# KiCad board SevenSegment.kicad_pcb (continued)
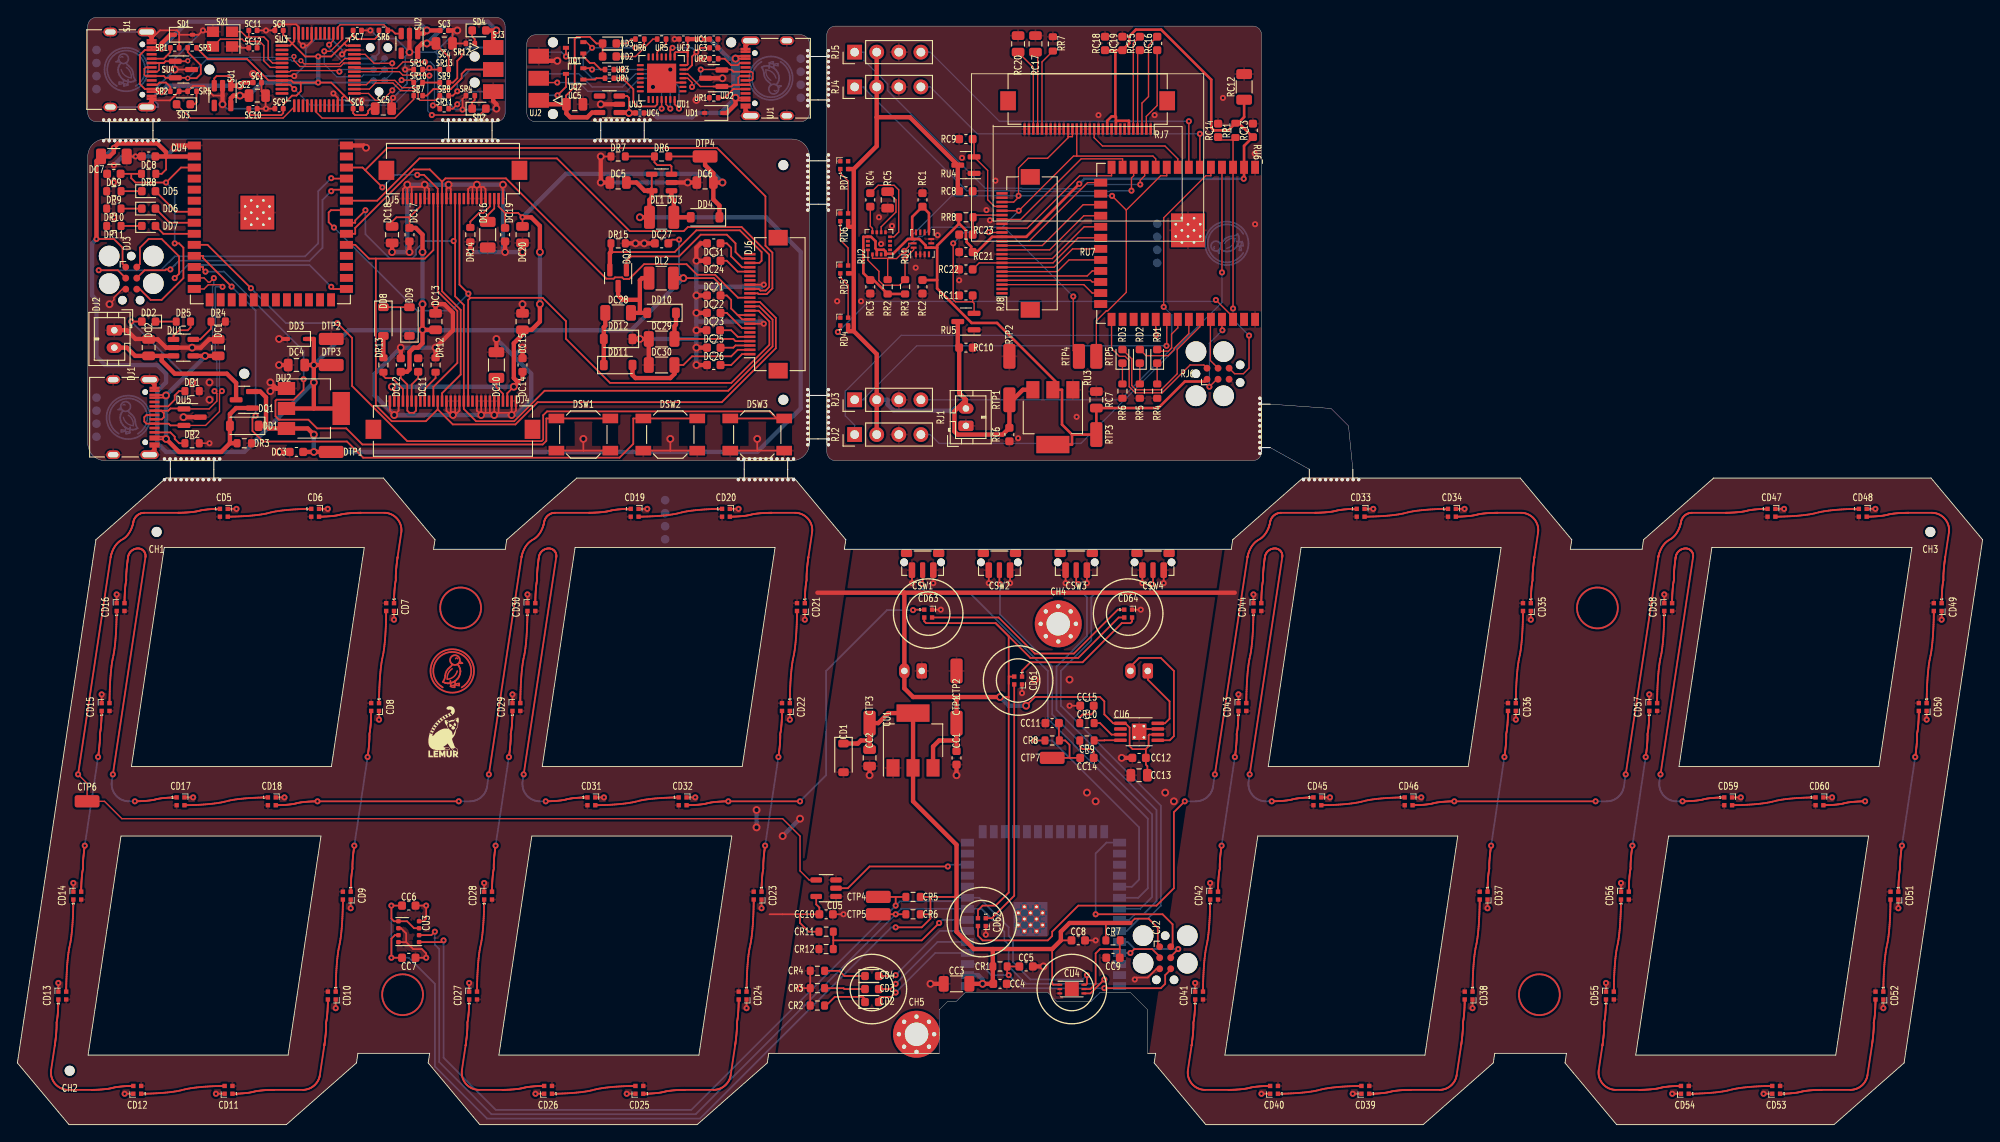
[diagram p0: board, top side]
## Routing (per net, layer and track width the routed paths; a pad name or vN(x,y) marks a point on that pad's centre or on a via; arc(x,y) is an arc through that point) (continued)
digit[1].led[8].dout: length 10.4
  Front w0.2: 53.69,25.8 53.69,25.73 53.69,25.63 53.68,25.52 53.68,25.4 53.68,25.25 53.68,25.1 53.67,24.93 53.67,24.75 53.66,24.55 53.65,24.35 53.65,24.14 53.64,23.93 53.62,23.7 53.61,23.47 53.6,23.24 53.58,23.01 53.56,22.78 53.55,22.54 53.53,22.31 53.5,22.07 53.48,21.84 53.45,21.62 53.42,21.4 53.39,21.19 53.35,20.98 53.31,20.79 53.23,20.41 53.2,20.22 53.16,20.01 53.13,19.8 53.1,19.58 53.07,19.36 53.05,19.13 53.03,18.9 53,18.66 52.98,18.43 52.97,18.19 52.95,17.96 52.94,17.72 52.92,17.5 52.91,17.27 52.9,17.06 52.9,16.85 52.89,16.65 52.88,16.46 52.88,16.27 52.87,16.1 52.87,15.95 52.87,15.81 52.87,15.68 52.86,15.57 52.86,15.47 52.86,15.4
digit[1].led[9].dout: length 20.7
  Front w0.2: v3(55,32.1) 54.99,32.05 54.99,32.01 54.98,31.97 54.97,31.91 54.97,31.85 54.95,31.78 54.94,31.7 54.94,31.62 54.92,31.53 54.91,31.43 54.9,31.33 54.89,31.23 54.88,31.12 54.86,31.01 54.85,30.9 54.84,30.78 54.83,30.66 54.81,30.43 54.81,30.31 54.8,30.19 54.8,30.08 54.79,29.97 54.79,29.86 54.79,29.75 54.79,29.64 54.79,29.55 54.79,29.45 54.77,29.36 54.75,29.26 54.74,29.16 54.72,29.05 54.71,28.94 54.69,28.83 54.68,28.71 54.67,28.6 54.66,28.48 54.64,28.25 54.63,28.13 54.62,28.01 54.61,27.79 54.61,27.68 54.6,27.57 54.6,27.47 54.6,27.38 54.59,27.29 54.59,27.2 54.59,27.12 54.59,26.99 54.59,26.93 ; 56.94,47.47 56.94,47.35 56.94,47.28 56.94,47.2 56.94,47.11 56.93,47.02 56.93,46.93 56.93,46.83 56.92,46.72 56.92,46.61 56.91,46.39 56.9,46.27 56.89,46.16 56.87,45.92 56.86,45.8 56.85,45.69 56.84,45.57 56.82,45.46 56.81,45.35 56.79,45.24 56.78,45.14 56.76,45.04 56.74,44.95 56.74,44.86 56.74,44.76 56.74,44.65 56.74,44.55 56.74,44.43 56.73,44.32 56.73,44.21 56.72,44.09 56.72,43.97 56.7,43.74 56.69,43.62 56.68,43.5 56.66,43.39 56.65,43.28 56.64,43.17 56.63,43.07 56.62,42.97 56.61,42.87 56.59,42.78 56.58,42.7 56.58,42.62 56.56,42.55 56.56,42.49 56.55,42.43 56.54,42.39 56.54,42.35 v3(56.53,42.3)
  Back w0.2: v3(55,32.1) v3(56.53,42.3)
digit[1].led[10].dout: length 10.4
  Front w0.2: 58.67,59 58.67,58.93 58.67,58.83 58.66,58.72 58.66,58.59 58.66,58.45 58.66,58.3 58.65,58.13 58.65,57.94 58.64,57.75 58.63,57.55 58.63,57.34 58.62,57.13 58.61,56.9 58.59,56.68 58.58,56.44 58.56,56.21 58.55,55.97 58.53,55.74 58.5,55.5 58.48,55.27 58.46,55.04 58.43,54.82 58.4,54.6 58.37,54.39 58.33,54.18 58.3,53.99 58.22,53.61 58.18,53.42 58.14,53.21 58.11,53 58.08,52.78 58.05,52.56 58.03,52.33 58,52.09 57.98,51.86 57.97,51.62 57.95,51.39 57.93,51.16 57.92,50.93 57.91,50.7 57.89,50.47 57.88,50.26 57.88,50.05 57.87,49.85 57.86,49.66 57.86,49.47 57.85,49.3 57.85,49.15 57.85,49 57.85,48.88 57.84,48.77 57.84,48.67 57.84,48.6
digit[1].led[11].dout: length 43.3
  Front w0.2: v3(60.77,37.2) 60.81,37.2 60.84,37.2 60.89,37.2 60.99,37.2 61.06,37.2 61.13,37.21 61.21,37.21 61.29,37.21 61.38,37.21 61.47,37.22 61.56,37.22 61.66,37.23 61.76,37.23 61.86,37.24 62.07,37.26 62.29,37.28 62.39,37.29 62.5,37.3 62.6,37.31 62.7,37.33 62.8,37.35 62.9,37.36 62.99,37.38 63.08,37.4 63.25,37.45 63.34,37.47 63.43,37.49 63.53,37.5 63.63,37.52 63.73,37.53 63.83,37.55 63.94,37.56 64.04,37.57 64.15,37.58 64.26,37.59 64.47,37.61 64.57,37.62 64.67,37.62 64.77,37.63 64.86,37.63 64.95,37.64 65.04,37.64 65.12,37.64 65.2,37.64 65.27,37.65 65.39,37.65 65.44,37.65 ; v3(58.23,40.3) 61.98,65.3 61.98,65.31 61.99,65.36 61.99,65.41 61.99,65.47 61.99,65.52 61.98,65.57 61.97,65.61 61.96,65.66 61.95,65.71 61.93,65.75 61.91,65.8 61.89,65.84 61.87,65.88 61.84,65.93 61.81,65.96 61.78,66 61.75,66.04 61.72,66.07 61.68,66.1 61.64,66.13 61.6,66.16 61.56,66.19 61.52,66.21 61.47,66.23 61.43,66.25 61.38,66.26 61.33,66.28 61.28,66.29 61.23,66.29 61.18,66.3 61.13,66.3 61.07,66.3 61.02,66.29 60.96,66.29 60.91,66.28 60.85,66.27 60.8,66.25 60.75,66.23 60.69,66.22 60.64,66.19 60.6,66.17 60.55,66.14 60.5,66.12 60.46,66.09 60.41,66.05 60.37,66.02 60.33,65.98 60.29,65.95 60.26,65.91 60.22,65.86 60.19,65.82 60.16,65.78 60.13,65.73 60.1,65.68 60.08,65.63 60.06,65.58 60.04,65.53 60.02,65.48 60,65.42 59.99,65.37 59.98,65.29 59.98,65.28 59.97,65.25 59.97,65.21 59.96,65.17 59.95,65.11 59.94,65.05 59.94,64.98 59.92,64.9 59.91,64.82 59.9,64.73 59.89,64.63 59.88,64.53 59.87,64.43 59.86,64.32 59.84,64.21 59.83,64.09 59.82,63.98 59.81,63.86 59.8,63.63 59.79,63.51 59.78,63.39 59.78,63.28 59.77,63.17 59.77,63.06 59.77,62.95 59.77,62.84 59.77,62.75 59.77,62.65 59.75,62.56 59.73,62.46 59.72,62.36 59.7,62.25 59.69,62.14 59.67,62.03 59.66,61.91 59.65,61.8 59.64,61.68 59.62,61.45 59.61,61.33 59.61,61.21 59.59,60.99 59.59,60.88 59.58,60.77 59.58,60.67 59.58,60.58 59.58,60.49 59.57,60.4 59.57,60.32 59.57,60.19 59.57,60.13
  Back w0.2: v3(58.23,40.3) 58.11,39.5 58.09,39.38 58.09,39.26 58.09,39.14 58.09,39.02 58.11,38.91 58.13,38.79 58.16,38.68 58.19,38.57 58.23,38.47 58.27,38.36 58.32,38.26 58.38,38.17 58.44,38.07 58.5,37.98 58.57,37.9 58.65,37.81 58.73,37.73 58.81,37.66 58.9,37.59 58.99,37.53 59.09,37.47 59.19,37.41 59.29,37.37 59.39,37.32 59.5,37.29 59.62,37.26 59.73,37.23 59.85,37.21 59.97,37.2 60.09,37.2 v3(60.77,37.2)
digit[1].led[12].dout: length 9.5
  Front w0.2: 75.97,37.65 75.91,37.65 75.82,37.65 75.72,37.65 75.61,37.64 75.48,37.64 75.34,37.64 75.18,37.63 75.02,37.63 74.84,37.62 74.66,37.61 74.47,37.6 74.28,37.59 74.07,37.58 73.87,37.57 73.66,37.55 73.45,37.54 73.23,37.52 73.02,37.5 72.81,37.47 72.6,37.45 72.39,37.42 72.19,37.39 71.99,37.36 71.8,37.32 71.61,37.28 71.43,37.24 71.1,37.16 70.92,37.12 70.73,37.08 70.54,37.04 70.34,37.01 70.14,36.98 69.93,36.95 69.72,36.93 69.51,36.9 69.3,36.88 69.08,36.86 68.87,36.85 68.66,36.83 68.45,36.82 68.25,36.81 68.06,36.8 67.87,36.79 67.69,36.78 67.51,36.77 67.35,36.77 67.19,36.76 67.05,36.76 66.92,36.76 66.81,36.75 66.71,36.75 66.62,36.75 66.55,36.75
digit[2].dout: length 67.1
  Front w0.2: v3(184.98,40.3) 188.73,65.3 188.74,65.34 188.74,65.37 188.75,65.41 188.76,65.45 188.77,65.5 188.79,65.56 188.81,65.62 188.82,65.69 188.85,65.76 188.87,65.84 188.9,65.92 188.94,66 188.97,66.08 189.01,66.17 189.06,66.26 189.1,66.34 189.15,66.43 189.21,66.52 189.27,66.61 189.33,66.7 189.4,66.78 189.48,66.87 189.56,66.95 189.64,67.03 189.73,67.1 189.82,67.17 189.92,67.24 190.14,67.36 190.24,67.43 190.33,67.5 190.42,67.57 190.5,67.65 190.58,67.73 190.66,67.82 190.73,67.9 190.79,67.99 190.85,68.08 190.91,68.17 190.96,68.26 191,68.34 191.05,68.43 191.09,68.52 191.12,68.6 191.16,68.69 191.19,68.76 191.21,68.84 191.24,68.91 191.25,68.98 191.27,69.04 191.29,69.1 191.3,69.15 191.31,69.19 191.32,69.23 191.32,69.26 191.34,69.36 191.35,69.42 191.37,69.48 191.39,69.54 191.41,69.6 191.44,69.66 191.47,69.71 191.5,69.77 191.53,69.82 191.56,69.87 191.6,69.91 191.64,69.96 191.68,70.01 191.72,70.05 191.76,70.09 191.81,70.12 191.86,70.16 191.91,70.2 191.96,70.23 192.01,70.26 192.07,70.28 192.12,70.31 192.18,70.33 192.24,70.35 192.3,70.36 192.36,70.38 192.42,70.39 192.48,70.39 192.54,70.4 192.61,70.4 196.54,70.4 196.57,70.4 196.62,70.4 196.72,70.4 196.79,70.4 196.86,70.41 196.94,70.41 197.02,70.41 197.1,70.41 197.2,70.42 197.29,70.42 197.39,70.43 197.49,70.43 197.59,70.44 197.8,70.46 198.02,70.48 198.12,70.49 198.23,70.5 198.33,70.52 198.43,70.53 198.53,70.55 198.63,70.56 198.72,70.58 198.81,70.6 198.98,70.65 199.07,70.67 199.16,70.69 199.26,70.7 199.36,70.72 199.46,70.73 199.56,70.75 199.67,70.76 199.77,70.77 199.88,70.78 199.99,70.79 200.2,70.81 200.3,70.82 200.4,70.82 200.5,70.83 200.59,70.83 200.69,70.84 200.77,70.84 200.85,70.84 200.93,70.84 201,70.85 201.12,70.85 201.17,70.85 ; 160.59,36.75 160.69,36.75 160.76,36.75 160.83,36.76 160.91,36.76 160.99,36.76 161.07,36.76 161.17,36.77 161.26,36.77 161.36,36.78 161.46,36.78 161.56,36.79 161.77,36.81 161.99,36.83 162.09,36.84 162.2,36.85 162.3,36.87 162.4,36.88 162.5,36.9 162.6,36.91 162.69,36.93 162.78,36.95 162.95,37 163.04,37.02 163.13,37.04 163.23,37.05 163.33,37.07 163.43,37.09 163.53,37.1 163.64,37.11 163.74,37.12 163.96,37.14 164.17,37.16 164.27,37.17 164.37,37.17 164.47,37.18 164.56,37.18 164.66,37.19 164.74,37.19 164.82,37.19 164.9,37.19 164.97,37.2 165.09,37.2 165.14,37.2 165.19,37.2 165.22,37.2 v3(165.26,37.2) v3(181.51,37.2)
  Back w0.2: v3(184.98,40.3) 184.77,38.9 184.75,38.81 184.73,38.71 184.71,38.62 184.68,38.53 184.64,38.44 184.6,38.35 184.56,38.27 184.51,38.18 184.47,38.1 184.41,38.03 184.36,37.95 184.3,37.88 184.23,37.81 184.17,37.75 184.1,37.69 184.03,37.62 183.95,37.57 183.87,37.52 183.8,37.47 183.71,37.42 183.63,37.38 183.54,37.35 183.45,37.31 183.36,37.28 183.27,37.26 183.18,37.24 183.09,37.22 182.99,37.21 182.89,37.2 182.79,37.2 v3(181.51,37.2)
digit[2].led[0].dout: length 9.5
  Front w0.2: 164.45,70.85 164.39,70.85 164.3,70.85 164.2,70.85 164.09,70.84 163.96,70.84 163.82,70.84 163.66,70.83 163.5,70.83 163.32,70.82 163.14,70.81 162.95,70.8 162.76,70.79 162.56,70.78 162.35,70.77 162.14,70.75 161.93,70.74 161.72,70.72 161.5,70.7 161.29,70.67 161.08,70.65 160.87,70.62 160.67,70.59 160.47,70.56 160.28,70.52 160.09,70.48 159.91,70.44 159.58,70.36 159.4,70.32 159.21,70.28 159.02,70.24 158.82,70.21 158.62,70.18 158.41,70.15 158.2,70.13 157.99,70.1 157.78,70.08 157.56,70.06 157.35,70.05 157.14,70.03 156.94,70.02 156.73,70.01 156.54,70 156.35,69.99 156.16,69.98 155.99,69.97 155.83,69.97 155.67,69.96 155.53,69.96 155.4,69.96 155.29,69.95 155.19,69.95 155.1,69.95 155.03,69.95
digit[2].led[1].dout: length 18.9
  Front w0.2: 174.07,60.13 174.07,60.25 174.07,60.32 174.07,60.4 174.07,60.49 174.08,60.58 174.08,60.67 174.08,60.77 174.09,60.88 174.09,60.99 174.1,61.21 174.11,61.33 174.12,61.45 174.14,61.68 174.15,61.8 174.16,61.91 174.17,62.03 174.19,62.14 174.2,62.25 174.22,62.36 174.24,62.46 174.25,62.56 174.27,62.65 174.27,62.75 174.27,62.84 174.27,62.95 174.27,63.06 174.27,63.17 174.28,63.28 174.28,63.39 174.29,63.51 174.3,63.63 174.31,63.86 174.32,63.98 174.33,64.09 174.34,64.21 174.36,64.32 174.37,64.43 174.38,64.53 174.39,64.63 174.4,64.73 174.41,64.82 174.43,64.9 174.44,64.98 174.44,65.05 174.45,65.11 174.46,65.17 174.47,65.21 174.47,65.25 174.48,65.3 174.9,68.1 174.91,68.22 174.92,68.34 174.92,68.46 174.91,68.58 174.9,68.69 174.88,68.81 174.85,68.92 174.82,69.03 174.78,69.13 174.74,69.24 174.69,69.34 174.63,69.43 174.57,69.53 174.51,69.62 174.44,69.71 174.36,69.79 174.28,69.87 174.2,69.94 174.11,70.01 174.02,70.07 173.92,70.13 173.82,70.19 173.72,70.23 173.62,70.28 173.51,70.31 173.39,70.34 173.28,70.37 173.16,70.39 173.04,70.4 172.92,70.4 170.2,70.4 170.17,70.4 170.12,70.4 170.02,70.4 169.95,70.4 169.88,70.39 169.8,70.39 169.72,70.39 169.63,70.39 169.54,70.38 169.45,70.38 169.35,70.37 169.25,70.37 169.15,70.36 168.94,70.34 168.72,70.32 168.62,70.31 168.51,70.3 168.41,70.29 168.31,70.27 168.21,70.25 168.11,70.24 168.02,70.22 167.93,70.2 167.76,70.15 167.67,70.13 167.58,70.11 167.48,70.1 167.38,70.08 167.28,70.07 167.18,70.05 167.07,70.04 166.97,70.03 166.86,70.02 166.75,70.01 166.54,69.99 166.44,69.98 166.34,69.98 166.24,69.97 166.15,69.97 166.06,69.96 165.97,69.96 165.89,69.96 165.81,69.96 165.74,69.95 165.62,69.95 165.57,69.95
digit[2].led[2].dout: length 10.4
  Front w0.2: 173.17,59 173.17,58.93 173.17,58.83 173.16,58.72 173.16,58.59 173.16,58.45 173.16,58.3 173.15,58.13 173.15,57.94 173.14,57.75 173.13,57.55 173.13,57.34 173.12,57.13 173.1,56.9 173.09,56.68 173.08,56.44 173.06,56.21 173.05,55.97 173.03,55.74 173,55.5 172.98,55.27 172.96,55.04 172.93,54.82 172.9,54.6 172.87,54.39 172.83,54.18 172.8,53.99 172.72,53.61 172.68,53.42 172.64,53.21 172.61,53 172.58,52.78 172.55,52.56 172.53,52.33 172.5,52.09 172.48,51.86 172.47,51.62 172.45,51.39 172.43,51.16 172.42,50.93 172.41,50.7 172.39,50.47 172.38,50.26 172.38,50.05 172.37,49.85 172.36,49.66 172.36,49.47 172.35,49.3 172.35,49.15 172.35,49 172.35,48.88 172.34,48.77 172.34,48.67 172.34,48.6
digit[2].led[3].dout: length 20.7
  Front w0.2: v3(171.03,42.3) 171.04,42.35 171.04,42.39 171.05,42.43 171.06,42.49 171.06,42.55 171.07,42.62 171.09,42.7 171.09,42.78 171.11,42.87 171.12,42.97 171.13,43.07 171.14,43.17 171.15,43.28 171.16,43.39 171.18,43.5 171.19,43.62 171.2,43.74 171.22,43.97 171.22,44.09 171.23,44.21 171.24,44.32 171.24,44.43 171.24,44.55 171.24,44.65 171.24,44.76 171.24,44.86 171.24,44.95 171.26,45.04 171.28,45.14 171.29,45.24 171.31,45.35 171.32,45.46 171.34,45.57 171.35,45.69 171.36,45.8 171.37,45.92 171.39,46.16 171.4,46.27 171.41,46.39 171.42,46.61 171.42,46.72 171.43,46.83 171.43,46.93 171.43,47.02 171.44,47.11 171.44,47.2 171.44,47.28 171.44,47.41 171.44,47.47 ; 169.09,26.93 169.09,27.05 169.09,27.12 169.09,27.2 169.09,27.29 169.1,27.38 169.1,27.47 169.1,27.57 169.11,27.68 169.11,27.79 169.12,28.01 169.13,28.13 169.14,28.25 169.16,28.48 169.17,28.6 169.18,28.71 169.19,28.83 169.21,28.94 169.22,29.05 169.24,29.16 169.25,29.26 169.27,29.36 169.29,29.45 169.29,29.55 169.29,29.64 169.29,29.75 169.29,29.86 169.29,29.97 169.3,30.08 169.3,30.19 169.31,30.31 169.31,30.43 169.33,30.66 169.34,30.78 169.35,30.9 169.37,31.01 169.38,31.12 169.39,31.23 169.4,31.33 169.41,31.43 169.42,31.53 169.44,31.62 169.44,31.7 169.45,31.78 169.47,31.85 169.47,31.91 169.48,31.97 169.49,32.01 169.49,32.05 v3(169.5,32.1)
  Back w0.2: v3(171.03,42.3) v3(169.5,32.1)
digit[2].led[4].dout: length 10.4
  Front w0.2: 168.19,25.8 168.19,25.73 168.19,25.63 168.18,25.52 168.18,25.4 168.18,25.25 168.18,25.1 168.17,24.93 168.17,24.75 168.16,24.55 168.15,24.35 168.15,24.14 168.14,23.93 168.12,23.7 168.11,23.47 168.1,23.24 168.08,23.01 168.06,22.78 168.05,22.54 168.03,22.31 168,22.07 167.98,21.84 167.95,21.62 167.92,21.4 167.89,21.19 167.85,20.98 167.81,20.79 167.74,20.41 167.7,20.22 167.66,20.01 167.63,19.8 167.6,19.58 167.57,19.36 167.55,19.13 167.53,18.9 167.5,18.66 167.49,18.43 167.47,18.19 167.45,17.96 167.44,17.72 167.43,17.5 167.41,17.27 167.4,17.06 167.4,16.85 167.39,16.65 167.38,16.46 167.38,16.27 167.37,16.1 167.37,15.95 167.37,15.81 167.37,15.68 167.36,15.57 167.36,15.47 167.36,15.4
digit[2].led[5].dout: length 19.5
  Front w0.2: 166.46,14.27 166.46,14.15 166.46,14.08 166.46,14 166.45,13.91 166.45,13.82 166.45,13.73 166.45,13.63 166.44,13.52 166.44,13.41 166.43,13.19 166.42,13.07 166.41,12.96 166.39,12.72 166.38,12.6 166.37,12.49 166.36,12.37 166.34,12.26 166.33,12.15 166.31,12.04 166.29,11.94 166.28,11.84 166.26,11.75 166.26,11.66 166.26,11.56 166.26,11.45 166.26,11.34 166.26,11.23 166.25,11.12 166.25,11.01 166.24,10.89 166.24,10.77 166.22,10.54 166.21,10.42 166.2,10.31 166.19,10.19 166.17,10.08 166.16,9.97 166.15,9.87 166.14,9.77 166.13,9.67 166.12,9.58 166.1,9.5 166.09,9.42 166.09,9.35 166.08,9.29 166.07,9.23 166.06,9.19 166.06,9.15 166.05,9.12 166.05,9.1 165.54,5.7 165.52,5.61 165.5,5.51 165.48,5.42 165.45,5.33 165.41,5.24 165.37,5.15 165.33,5.07 165.28,4.98 165.24,4.9 165.18,4.83 165.13,4.75 165.07,4.68 165,4.61 164.94,4.55 164.87,4.49 164.8,4.43 164.72,4.37 164.64,4.32 164.56,4.27 164.48,4.22 164.4,4.18 164.31,4.15 164.22,4.11 164.13,4.08 164.04,4.06 163.95,4.04 163.85,4.02 163.76,4.01 163.66,4 163.56,4 160.24,4 160.21,4 160.16,4 160.06,4 159.99,4 159.92,3.99 159.84,3.99 159.76,3.99 159.68,3.99 159.58,3.98 159.49,3.98 159.39,3.97 159.29,3.97 159.19,3.96 158.98,3.94 158.87,3.93 158.76,3.92 158.66,3.91 158.55,3.9 158.45,3.89 158.35,3.87 158.25,3.85 158.15,3.84 158.06,3.82 157.97,3.8 157.8,3.75 157.71,3.73 157.62,3.71 157.52,3.7 157.42,3.68 157.32,3.66 157.22,3.65 157.11,3.64 157.01,3.63 156.9,3.62 156.79,3.61 156.58,3.59 156.48,3.58 156.38,3.58 156.28,3.57 156.19,3.57 156.09,3.56 156.01,3.56 155.93,3.56 155.85,3.56 155.78,3.55 155.66,3.55 155.61,3.55
digit[2].led[6].dout: length 9.5
  Front w0.2: 154.5,4.45 154.43,4.45 154.34,4.45 154.24,4.45 154.13,4.44 154,4.44 153.86,4.44 153.7,4.43 153.54,4.43 153.37,4.42 153.18,4.41 152.99,4.4 152.8,4.39 152.59,4.38 152.39,4.37 152.18,4.35 151.97,4.34 151.75,4.32 151.54,4.3 151.33,4.27 151.12,4.25 150.91,4.22 150.71,4.19 150.51,4.16 150.32,4.12 150.13,4.08 149.95,4.04 149.62,3.96 149.44,3.92 149.25,3.88 149.06,3.84 148.86,3.81 148.66,3.78 148.45,3.75 148.24,3.73 148.03,3.7 147.81,3.68 147.6,3.66 147.39,3.65 147.18,3.63 146.97,3.62 146.77,3.61 146.58,3.6 146.39,3.59 146.2,3.58 146.03,3.57 145.87,3.57 145.71,3.56 145.57,3.56 145.44,3.56 145.33,3.55 145.23,3.55 145.14,3.55 145.07,3.55
digit[2].led[7].dout: length 18.9
  Front w0.2: 135.46,14.27 135.46,14.15 135.46,14.08 135.46,14 135.46,13.91 135.45,13.82 135.45,13.73 135.45,13.63 135.44,13.52 135.44,13.41 135.43,13.19 135.42,13.07 135.41,12.96 135.39,12.72 135.38,12.6 135.37,12.49 135.36,12.37 135.34,12.26 135.33,12.15 135.31,12.04 135.29,11.94 135.28,11.84 135.26,11.75 135.26,11.66 135.26,11.56 135.26,11.45 135.26,11.34 135.26,11.23 135.25,11.12 135.25,11.01 135.24,10.89 135.23,10.77 135.22,10.54 135.21,10.42 135.2,10.31 135.19,10.19 135.17,10.08 135.16,9.97 135.15,9.87 135.14,9.77 135.13,9.67 135.12,9.58 135.1,9.5 135.09,9.42 135.09,9.35 135.08,9.29 135.07,9.23 135.06,9.19 135.06,9.15 135.05,9.12 135.05,9.1 134.63,6.3 134.62,6.18 134.61,6.06 134.61,5.94 134.62,5.82 134.63,5.71 134.65,5.59 134.68,5.48 134.71,5.37 134.75,5.27 134.79,5.16 134.84,5.06 134.9,4.97 134.96,4.87 135.02,4.78 135.09,4.69 135.17,4.61 135.25,4.53 135.33,4.46 135.42,4.39 135.51,4.33 135.61,4.27 135.71,4.21 135.81,4.16 135.91,4.12 136.02,4.09 136.14,4.06 136.25,4.03 136.37,4.01 136.49,4 136.61,4 139.33,4 139.36,4 139.41,4 139.51,4 139.58,4 139.65,4.01 139.73,4.01 139.81,4.01 139.9,4.01 139.99,4.02 140.08,4.02 140.18,4.03 140.28,4.03 140.38,4.04 140.59,4.06 140.81,4.08 140.91,4.09 141.02,4.1 141.12,4.12 141.22,4.13 141.32,4.15 141.42,4.16 141.51,4.18 141.6,4.2 141.77,4.25 141.86,4.27 141.95,4.29 142.05,4.3 142.15,4.32 142.25,4.34 142.35,4.35 142.46,4.36 142.56,4.37 142.78,4.39 142.99,4.41 143.09,4.42 143.19,4.42 143.29,4.43 143.38,4.43 143.47,4.44 143.56,4.44 143.64,4.44 143.72,4.44 143.79,4.45 143.91,4.45 143.96,4.45
digit[2].led[8].dout: length 10.4
  Front w0.2: 137.19,25.8 137.19,25.73 137.19,25.63 137.18,25.52 137.18,25.4 137.18,25.25 137.18,25.1 137.17,24.93 137.17,24.75 137.16,24.55 137.15,24.35 137.15,24.14 137.14,23.93 137.12,23.7 137.11,23.47 137.1,23.24 137.08,23.01 137.06,22.78 137.05,22.54 137.03,22.31 137,22.07 136.98,21.84 136.95,21.62 136.92,21.4 136.89,21.19 136.85,20.98 136.81,20.79 136.73,20.41 136.7,20.22 136.66,20.01 136.63,19.8 136.6,19.58 136.57,19.36 136.55,19.13 136.53,18.9 136.5,18.66 136.48,18.43 136.47,18.19 136.45,17.96 136.44,17.72 136.43,17.5 136.41,17.27 136.4,17.06 136.4,16.85 136.39,16.65 136.38,16.46 136.38,16.27 136.37,16.1 136.37,15.95 136.37,15.81 136.37,15.68 136.36,15.57 136.36,15.47 136.36,15.4
digit[2].led[9].dout: length 20.7
  Front w0.2: v3(138.5,32.1) 138.49,32.05 138.49,32.01 138.48,31.97 138.47,31.91 138.47,31.85 138.46,31.78 138.44,31.7 138.44,31.62 138.42,31.53 138.41,31.43 138.4,31.33 138.39,31.23 138.38,31.12 138.37,31.01 138.35,30.9 138.34,30.78 138.33,30.66 138.31,30.43 138.31,30.31 138.3,30.19 138.29,30.08 138.29,29.97 138.29,29.86 138.29,29.75 138.29,29.64 138.29,29.55 138.29,29.45 138.27,29.36 138.25,29.26 138.24,29.16 138.22,29.05 138.21,28.94 138.19,28.83 138.18,28.71 138.17,28.6 138.16,28.48 138.14,28.25 138.13,28.13 138.12,28.01 138.11,27.79 138.11,27.68 138.1,27.57 138.1,27.47 138.1,27.38 138.09,27.29 138.09,27.2 138.09,27.12 138.09,26.99 138.09,26.93 ; v3(140.03,42.3) 140.04,42.35 140.04,42.39 140.05,42.43 140.06,42.49 140.06,42.55 140.07,42.62 140.09,42.7 140.09,42.78 140.11,42.87 140.12,42.97 140.13,43.07 140.14,43.17 140.15,43.28 140.16,43.39 140.18,43.5 140.19,43.62 140.2,43.74 140.22,43.97 140.22,44.09 140.23,44.21 140.23,44.32 140.24,44.43 140.24,44.55 140.24,44.65 140.24,44.76 140.24,44.86 140.24,44.95 140.26,45.04 140.28,45.14 140.29,45.24 140.31,45.35 140.32,45.46 140.34,45.57 140.35,45.69 140.36,45.8 140.37,45.92 140.39,46.16 140.4,46.27 140.41,46.39 140.42,46.61 140.42,46.72 140.43,46.83 140.43,46.93 140.43,47.02 140.44,47.11 140.44,47.2 140.44,47.28 140.44,47.41 140.44,47.47
  Back w0.2: v3(138.5,32.1) v3(140.03,42.3)
digit[2].led[10].dout: length 10.4
  Front w0.2: 141.34,48.6 141.34,48.67 141.34,48.77 141.35,48.88 141.35,49 141.35,49.15 141.35,49.3 141.36,49.47 141.36,49.66 141.37,49.85 141.38,50.05 141.38,50.26 141.39,50.47 141.41,50.7 141.42,50.93 141.43,51.16 141.45,51.39 141.47,51.62 141.48,51.86 141.5,52.09 141.53,52.33 141.55,52.56 141.58,52.78 141.61,53 141.64,53.21 141.68,53.42 141.72,53.61 141.79,53.99 141.83,54.18 141.87,54.39 141.9,54.6 141.93,54.82 141.96,55.04 141.98,55.27 142,55.5 142.03,55.74 142.04,55.97 142.06,56.21 142.08,56.44 142.09,56.68 142.1,56.9 142.12,57.13 142.13,57.34 142.13,57.55 142.14,57.75 142.15,57.94 142.15,58.13 142.16,58.3 142.16,58.45 142.16,58.59 142.16,58.72 142.17,58.83 142.17,58.93 142.17,59
digit[2].led[11].dout: length 43.3
  Front w0.2: v3(144.26,37.2) 144.31,37.2 144.34,37.2 144.39,37.2 144.49,37.2 144.56,37.2 144.63,37.21 144.71,37.21 144.79,37.21 144.88,37.21 144.97,37.22 145.06,37.22 145.16,37.23 145.26,37.23 145.36,37.24 145.57,37.26 145.79,37.28 145.89,37.29 146,37.3 146.1,37.31 146.2,37.33 146.3,37.35 146.4,37.36 146.49,37.38 146.58,37.4 146.75,37.45 146.84,37.47 146.93,37.49 147.03,37.5 147.13,37.52 147.23,37.53 147.33,37.55 147.44,37.56 147.54,37.57 147.65,37.58 147.76,37.59 147.97,37.61 148.07,37.62 148.17,37.62 148.27,37.63 148.36,37.63 148.45,37.64 148.54,37.64 148.62,37.64 148.7,37.64 148.77,37.65 148.89,37.65 148.94,37.65 ; 143.07,60.13 143.07,60.25 143.07,60.32 143.07,60.4 143.07,60.49 143.08,60.58 143.08,60.67 143.08,60.77 143.09,60.88 143.09,60.99 143.1,61.21 143.11,61.33 143.12,61.45 143.14,61.68 143.15,61.8 143.16,61.91 143.17,62.03 143.19,62.14 143.2,62.25 143.22,62.36 143.23,62.46 143.25,62.56 143.27,62.65 143.27,62.75 143.27,62.84 143.27,62.95 143.27,63.06 143.27,63.17 143.28,63.28 143.28,63.39 143.29,63.51 143.29,63.63 143.31,63.86 143.32,63.98 143.33,64.09 143.34,64.21 143.36,64.32 143.37,64.43 143.38,64.53 143.39,64.63 143.4,64.73 143.41,64.82 143.43,64.9 143.44,64.98 143.44,65.05 143.45,65.11 143.46,65.17 143.47,65.21 143.47,65.25 143.48,65.3 143.49,65.37 143.5,65.42 143.52,65.48 143.54,65.53 143.56,65.58 143.58,65.63 143.6,65.68 143.63,65.73 143.66,65.78 143.69,65.82 143.72,65.86 143.76,65.91 143.79,65.95 143.83,65.98 143.87,66.02 143.91,66.05 143.96,66.09 144,66.12 144.05,66.14 144.1,66.17 144.15,66.19 144.19,66.22 144.25,66.23 144.3,66.25 144.35,66.27 144.41,66.28 144.46,66.29 144.52,66.29 144.57,66.3 144.63,66.3 144.68,66.3 144.73,66.29 144.78,66.29 144.83,66.28 144.88,66.26 144.93,66.25 144.97,66.23 145.02,66.21 145.06,66.19 145.1,66.16 145.14,66.13 145.18,66.1 145.22,66.07 145.25,66.04 145.28,66 145.31,65.96 145.34,65.93 145.37,65.88 145.39,65.84 145.41,65.8 145.43,65.75 145.45,65.71 145.46,65.66 145.47,65.61 145.48,65.57 145.49,65.52 145.49,65.47 145.49,65.41 145.49,65.36 145.48,65.31 145.48,65.3 v3(141.73,40.3)
  Back w0.2: v3(141.73,40.3) 141.61,39.5 141.59,39.38 141.59,39.26 141.59,39.14 141.59,39.02 141.61,38.91 141.63,38.79 141.66,38.68 141.69,38.57 141.73,38.47 141.77,38.36 141.82,38.26 141.88,38.17 141.94,38.07 142,37.98 142.07,37.9 142.15,37.81 142.23,37.73 142.31,37.66 142.4,37.59 142.49,37.53 142.59,37.47 142.69,37.41 142.79,37.37 142.9,37.32 143,37.29 143.12,37.26 143.23,37.23 143.35,37.21 143.47,37.2 143.59,37.2 v3(144.26,37.2)
digit[2].led[12].dout: length 9.5
  Front w0.2: 150.06,36.75 150.12,36.75 150.21,36.75 150.31,36.75 150.42,36.76 150.55,36.76 150.69,36.76 150.85,36.77 151.01,36.77 151.19,36.78 151.37,36.79 151.56,36.8 151.75,36.81 151.95,36.82 152.16,36.83 152.37,36.85 152.58,36.86 152.79,36.88 153.01,36.9 153.22,36.93 153.43,36.95 153.64,36.98 153.84,37.01 154.04,37.04 154.23,37.08 154.42,37.12 154.6,37.16 154.93,37.24 155.11,37.28 155.3,37.32 155.49,37.36 155.69,37.39 155.89,37.42 156.1,37.45 156.31,37.47 156.52,37.5 156.74,37.52 156.95,37.54 157.16,37.55 157.37,37.57 157.57,37.58 157.78,37.59 157.97,37.6 158.16,37.61 158.34,37.62 158.52,37.63 158.68,37.63 158.84,37.64 158.98,37.64 159.11,37.64 159.22,37.65 159.32,37.65 159.41,37.65 159.47,37.65
